# Altium PCB KPBT.758724.006.PcbDoc (continued)
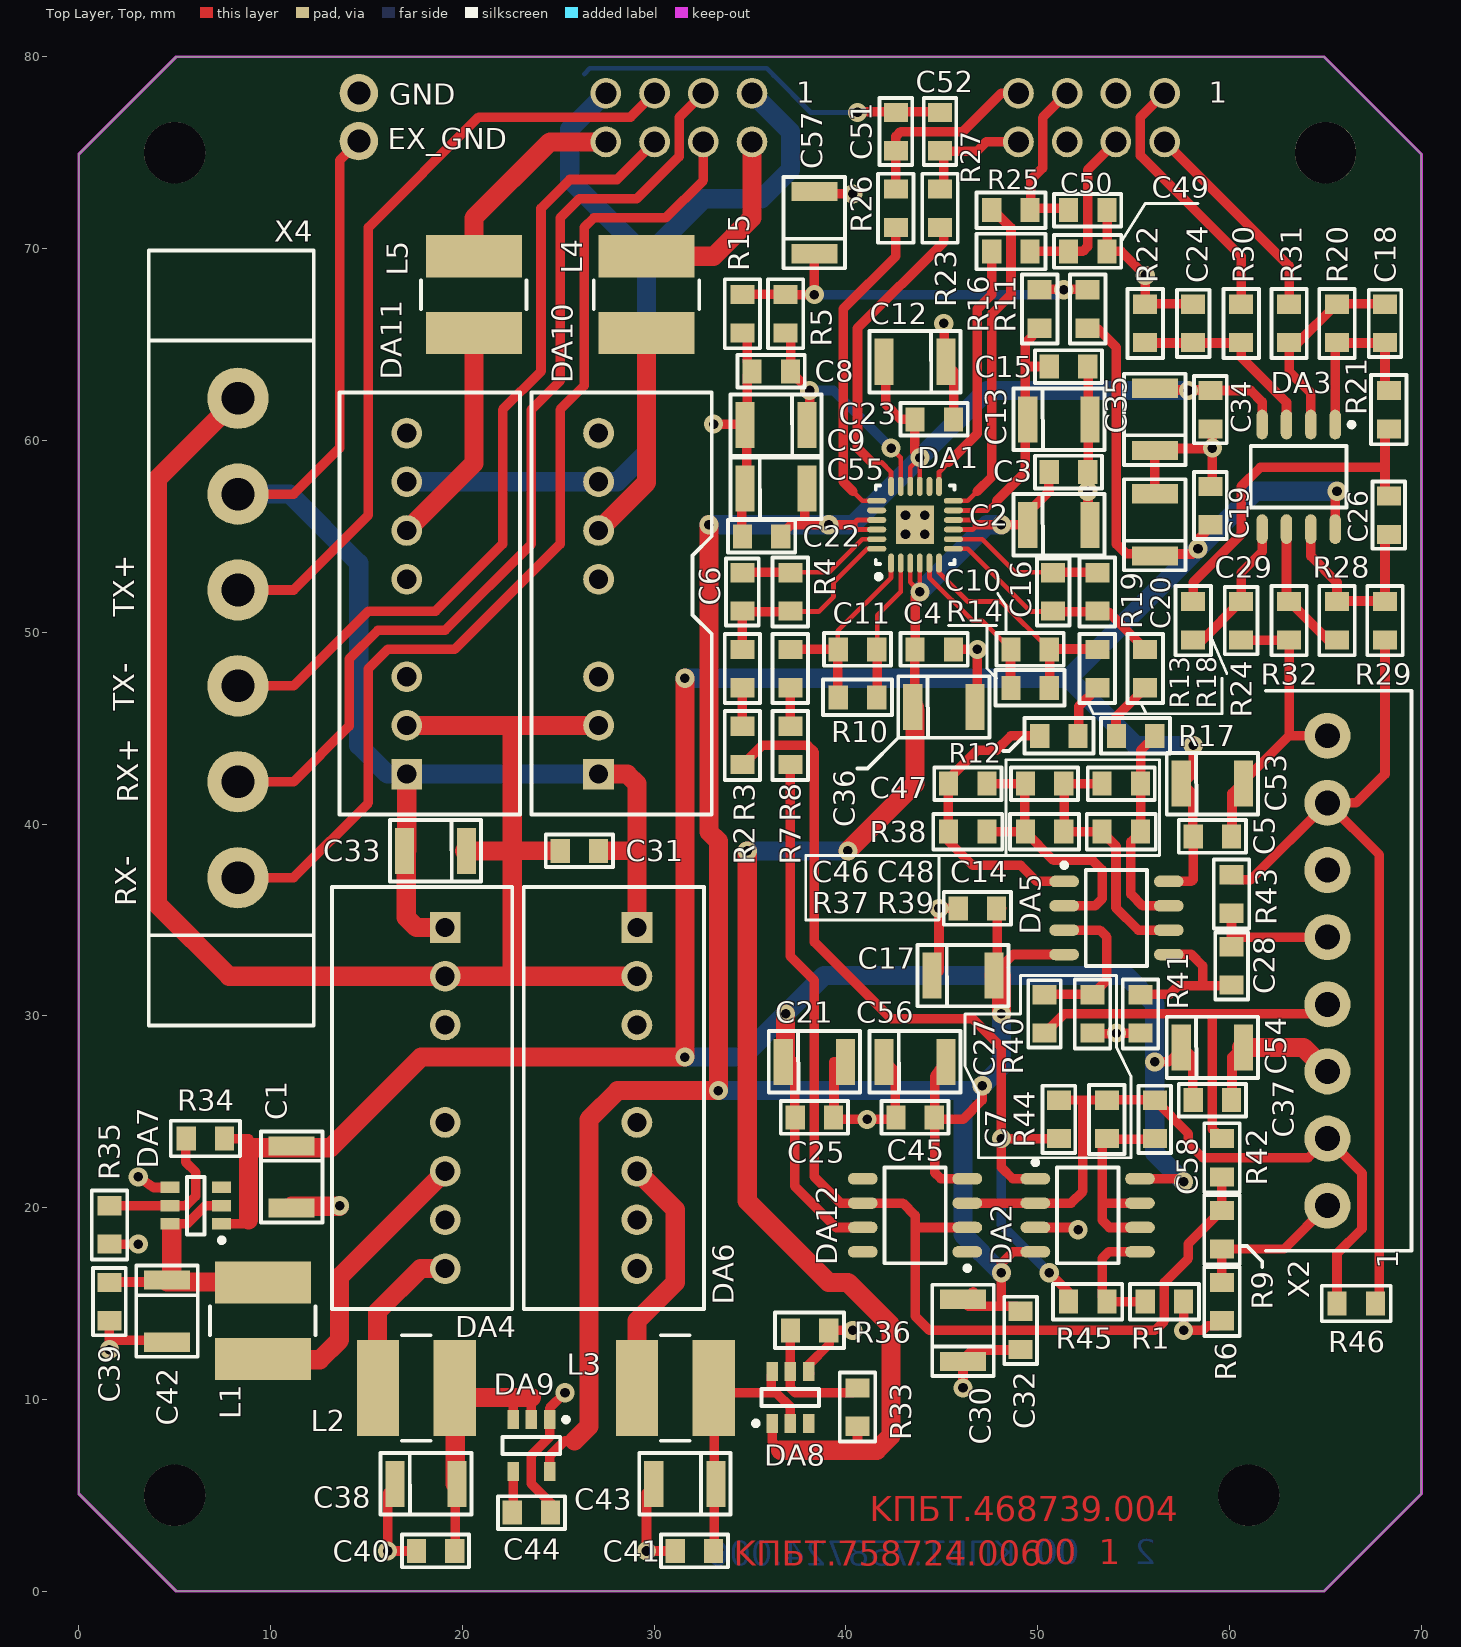
[diagram p0: Top Layer, Top view]
## Footprints (in the part's own frame and the unit in brackets; to place one, negate y for a bottom-side part, rotate by r counter-clockwise, add the part's x,y. Pads: shape width x height; smd on the part's side, far side on the other; paste and mask are expansions set on the pad)
2EDGVM-5.0-06P-14-00AH [mm]
  round 3.2 hole 1.7: 1(-12.5,0) 2(-7.5,0) 3(-2.5,0) 4(2.5,0) 5(7.5,0) 6(12.5,0)
  silkscreen extent -20.2,-4.65 20.2,3.95, body extent -20,-4.45 20,3.75, height 12.15
15EDGVC-3.5-08P-14-00AH [mm]
  round 2.4 hole 1.3: 1(-12.25,0) 2(-8.75,0) 3(-5.25,0) 4(-1.75,0) 5(1.75,0) 6(5.25,0) 7(8.75,0) 8(12.25,0)
  silkscreen extent -14.6,-4.38 14.6,3.2, body extent -14.4,-4.2 14.4,3, height 9.2
CAP:0805 [mm]
  rect 1x1.25 smd: 1(-1,0) 2(1,0)
  silkscreen extent -1.75,-0.85 1.75,0.85, body extent -1,-0.62 1,0.63, height 0.61
"CAPT: tepy B" [mm]
  rect 1x2.4 smd: 1(1.621,0) 2(-1.621,0)
  silkscreen extent -2.37,-1.6 2.37,1.6, body extent -1.85,-1.5 1.85,1.5, height 2.1
LFCSP-24 [mm]
  oval 1x0.3 smd: 1(-2,1.25) 2(-2,0.75) 3(-2,0.25) 4(-2,-0.25) 5(-2,-0.75) 6(-2,-1.25) 13(2,-1.25) 14(2,-0.75) 15(2,-0.25) 16(2,0.25) 17(2,0.75) 18(2,1.25)
  oval 0.3x1 smd: 7(-1.25,-2) 8(-0.75,-2) 9(-0.25,-2) 10(0.25,-2) 11(0.75,-2) 12(1.25,-2) 19(1.25,2) 20(0.75,2) 21(0.25,2) 22(-0.25,2) 23(-0.75,2) 24(-1.25,2)
  rect 2x2 smd: 25(0,0)
  silkscreen extent -2.82,-2.05 2.05,2.05, body extent -2,-2 2,2, height 0.78
LQH55DNxxM03 [mm]
  rect 2.2x5 smd: 1(-2,0) 2(2,0)
  silkscreen extent -0.75,-2.75 0.75,2.75, body extent -2.85,-2.5 2.85,2.5, height 4.7
PBS-8 [mm]
  round 1.6 hole 1.1: 1(-3.81,-1.27) 2(-3.81,1.27) 3(-1.27,-1.27) 4(-1.27,1.27) 5(1.27,-1.27) 6(1.27,1.27) 7(3.81,-1.27) 8(3.81,1.27)
  silkscreen extent -5.65,-2.68 5.65,2.68, body extent -5.48,-2.5 5.48,2.5, height 8.5
RES:0805 [mm]
  rect 1x1.25 smd: 1(-1,0) 2(1,0)
  silkscreen extent -1.8,-0.92 1.8,0.92, body extent -1.05,-0.67 1.05,0.68, height 0.6
SIP-8 [mm]
  rect 1.6x1.6 hole 1: 1(-8.89,0)
  round 1.6 hole 1: 2(-6.35,0) 3(-3.81,0) 5(1.27,0) 6(3.81,0) 7(6.35,0) 8(8.89,0)
  silkscreen extent -11,-5.9 11,3.5, body extent -10.9,-5.8 10.9,3.4, height 11.12
SOIC-8 [mm]
  oval 1.55x0.6 smd: 1(-2.725,1.905) 2(-2.725,0.635) 3(-2.725,-0.635) 4(-2.725,-1.905) 5(2.725,-1.905) 6(2.725,-0.635) 7(2.725,0.635) 8(2.725,1.905)
  silkscreen extent -2.85,-2.5 1.6,2.88, body extent -3,-2.45 3,2.45, height 1.55
SOT23-5 [mm] "SOT23, 6-Leads, Body 2,90x2,80mm, Pitch 0,95mm, IPC Medium Density"
  rect 1x0.6 smd: 1(-1.35,0.95) 2(-1.35,0) 3(-1.35,-0.95) 4(1.35,-0.95) 5(1.35,0.95)
  silkscreen extent -1.47,-1.5 0.45,1.93, body extent -1.25,-1.5 1.25,1.5, height 1.1
SOT23-6 [mm] "SOT23, 6-Leads, Body 2,90x2,80mm, Pitch 0,95mm, IPC Medium Density"
  rect 1x0.6 smd: 1(-1.35,0.95) 2(-1.35,0) 3(-1.35,-0.95) 4(1.35,-0.95) 5(1.35,0) 6(1.35,0.95)
  silkscreen extent -1.48,-1.5 0.45,1.92, body extent -1.25,-1.5 1.25,1.5, height 1.1

## Part data
C1 C2 C9 C12 C13 C17 C20 C21 C30 C33 C35 C36 C38 C42 C43 C53 C54 C55 C56 C57: library part "CAPT: tepy B", Part Number="CAPT: tepy B"
C3 C4 C5 C6 C7 C8 C10 C11 C14 C15 C16 C18 C19 C22 C23 C24 C25 C26 C27 C28 C29 C31 C32 C34 C37 C39 C40 C41 C44 C45 C46 C47 C48 C49 C50 C51 C52 C58: library part "Capacitor 0805", Part Number="Capacitor 0805"
L1 L2 L3 L4 L5: library part LQH55DN101M03, Part Number=LQH55DN101M03
R1 R2 R3 R4 R5 R6 R7 R8 R9 R10 R11 R12 R13 R14 R15 R16 R17 R18 R19 R20 R21 R22 R23 R24 R25 R26 R27 R28 R29 R30 R31 R32 R33 R34 R35 R36 R37 R38 R39 R40 R41 R42 R43 R44 R45 R46: library part "Resistor 0805", Total Power Dissipation=0,125W, Part Number="Resistor 0805"
X2: library part 15EDGVC-3.5-08P-14-00AH_1, Part Number=15EDGVC-3.5-08P-14-00AH_1
X4: library part 2EDGxx-5.0-06P-14-00AH, Part Number=2EDGxx-5.0-06P-14-00AH
DA1: Part Number=ADA4940-2ACPZ
DA2 DA3 DA5: Part Number=ADA4891-2ARZ
DA4: Part Number=AM2G1203DZ
DA6: Part Number=AM2G1205SZ
DA7 DA8: Part Number=ADP3331ART
DA9: Part Number=TPS72325DBVT
DA10 DA11: Part Number=AM2G1203SZ
DA12: Part Number=ADA4891-1ARZ
X1 X3: Part Number=PBS-8

## Free pads (board coordinates)
  round 2 hole 1.2: 0(14.6,75.6) 0(14.6,78.1)
  round 3.2 hole 3.2 unplated: ""(5,5) ""(5,75) ""(61,5) ""(65,75)

## Via types
v1: diameter 1, hole 0.5, Top Layer, Top to Bottom Layer, Bottom, tented both sides, 52 vias

## Nets (pads, with @x,y where several pads share a name; then routed paths per layer and width w, separated by ;. In a path a pad name is that pad's centre, name@x,y a point inside that pad or via, vN(x,y) a via of type N, cw(c..) or ccw(c..) an arc to the next point about the centre after c; other vN are vias at no path point)
+2.5V: C1.2 C5.2 C19.2 C20.2 C21.2 C25.2 C37.2 C53.2 C54.2 DA2.8 DA3.8 DA5.8 DA7.1 DA12.7 R11.2 R34.2 | length 185.4
  Top Layer, Top w0.5: DA7.1@7.3,19.15 8.65,19.15 8.85,19.35 ; R34.2@7.625,23.6 8.85,23.6 8.85,23.1 8.874,23.124 ; v1@31.6,27.6 v1(31.6,27.85) ; C21.2@36.826,27.6 37.325,27.601 37.325,24.6 37.325,21.125 39.485,18.965 DA12.7@41.06,18.965 ; R11.2@52.6,65.825 53.125,65.825 54.1,64.85 54.1,54.6 54.6,54.1 56.076,54.1 56.1,54.076 58.076,54.076 v1(58.35,54.35) 58.35,54.825 C19.2@59.1,55.575 ; DA2.8@55.14,21.505 57.445,21.505 v1(57.6,21.35) ; v1(56.1,27.6) 56.826,27.6 57.576,28.35 58.075,27.851 C37.2@58.075,25.6 ; DA5.8@56.64,37.005 58.005,37.005 58.1,37.1 58.1,39.575 58.075,39.35 58.075,41.601 57.576,42.1 58.1,42.624 v1(58.1,44.1) ; DA3.8@65.505,55.56 65.505,57.255 v1(65.6,57.35)
  Top Layer, Top w1: 8.85,19.35 8.85,23.1 ; 8.874,23.124 11.1,23.124 13.124,23.124 17.85,27.85 v1(31.6,27.85) v1(31.6,47.6) ; C21.2@36.826,27.6 36.85,28.124 v1(36.85,30.1)
  Bottom Layer, Bottom w1: v1(31.6,27.85) 34.6,27.85 v1(36.85,30.1) 38.85,32.1 54.6,32.1 56.1,30.6 v1(56.1,27.6) 56.1,22.85 v1(57.6,21.35) ; v1(31.6,47.6) 51.6,47.6 ; v1(58.1,44.1) 55.1,44.1 51.6,47.6 ; v1(65.6,57.35) 61.35,57.35 v1(58.35,54.35) 51.6,47.6
+3.3V: C39.1 C42.2 DA7.2 DA7.6 L1.2 | length 14.4
  Top Layer, Top w0.5: C39.1@1.6,16.125 1.601,16.124 4.6,16.124 4.9,16.424 C42.2@4.85,16.374 ; DA7.6@4.85,18.85 4.85,19.1 4.9,19.15 5.65,19.15 6.6,20.1 DA7.2@7.3,20.1 ; L1.2@9.592,16.124 L1.2@9.6,16.132
  Top Layer, Top w1: DA7.6@4.85,18.85 4.85,16.374 4.6,16.124 L1.2@9.592,16.124
+3.3V_D: L4.2 X3.1 | length 10.3
  Top Layer, Top w1: L4.2@29.6,69.632 29.632,69.6 33.1,69.6 35.1,71.6 X3.1
+4.5V: C2.2 C3.2 C4.2 C36.2 DA1.3 DA1.4 DA1.9 DA1.10 DA8.1 R33.2 | length 81.1
  Top Layer, Top w0.25: DA1.3 43.35,52.6 v1(43.85,52.1) DA1.4 ; DA1.9 46.6,55.35 46.85,55.6 46.6,55.85 DA1.10
  Top Layer, Top w0.5: DA8.1@36.15,8.9 36.15,7.8 36.6,7.35 ; 40.6,7.35 R33.2@40.6,8.575 ; C36.2@43.576,46.1 43.576,49.099 43.575,49.1 43.6,49.125 43.6,51.85 v1(43.85,52.1) ; 46.85,55.6 v1(48.1,55.6) 49.576,55.6 49.576,56.326 50.6,57.35 50.575,57.375 C3.2@50.575,58.35
  Top Layer, Top w1: v1(34.85,38.6) 34.85,20.35 39.1,16.1 40.1,16.1 42.35,13.85 42.35,8.1 41.6,7.35 40.6,7.35 36.6,7.35 ; v1(40.1,38.6) 43.6,42.1 43.6,45.85 C36.2@43.576,46.1
  Bottom Layer, Bottom w1: v1(34.85,38.6) v1(40.1,38.6) ; v1(43.85,52.1) 47.35,55.6 v1(48.1,55.6)
+5V: C41.1 C43.2 DA8.2 DA8.6 L3.2 | length 14.6
  Top Layer, Top w0.5: C41.1@33.125,2.1 33.124,2.101 33.124,5.6 33.124,10.592 33.132,10.6 33.382,10.35 36.1,10.35 ; DA8.6@36.15,11.3 36.1,11.25 36.1,10.35 ; DA8.2@37.1,8.9 37.1,9.6 36.35,10.35 36.1,10.35
+5V_D: L5.2 X3.7 | length 10.5
  Top Layer, Top w1: L5.2@20.6,69.632 20.6,71.6 24.56,75.56 X3.7
+12V_EXA: C31.1 C33.2 DA4.2 DA6.2 DA10.2 DA11.2 X4.1 | length 82.7
  Top Layer, Top w0.95: 22.6,38.6 C31.1@25.075,38.6
  Top Layer, Top w1: X4.1 4.1,58 4.1,35.8 7.84,32.06 DA4.2 22.6,32.06 ; DA11.2 22.6,45.14 ; C33.2@20.124,38.6 22.6,38.6 ; DA10.2 22.6,45.14 ; DA6.2 22.6,32.06 ; 22.6,32.06 22.6,38.6 ; 22.6,38.6 22.6,45.14
-2.5V: C12.1 C14.1 C17.1 C22.1 C23.1 C30.1 C32.1 C34.1 C35.1 C45.1 C55.1 C56.1 DA1.15 DA1.16 DA1.21 DA1.22 DA2.4 DA3.4 DA5.4 DA9.5 DA12.4 | length 167.8
  Top Layer, Top w0.25: DA1.22 40.6,55.35 40.35,55.6 40.6,55.85 DA1.21 ; DA1.16 43.35,58.6 v1(43.85,59.1) DA1.15
  Top Layer, Top w0.5: DA9.5@24.55,6.4 24.55,7.05 25.35,7.85 25.85,7.85 ; C22.1@36.625,55.1 37.125,55.6 37.85,55.6 ; C55.1@37.874,57.6 37.872,57.598 37.85,57.576 37.85,55.6 ; 40.35,55.6 v1(39.1,55.6) 37.85,55.6 ; C12.1@42.076,64.1 42.076,61.874 42.85,61.1 43.575,61.1 43.575,59.375 v1(43.85,59.1) ; C56.1@45.124,27.6 44.625,26.851 C45.1@44.625,24.6 ; DA12.4@46.14,21.505 44.945,21.505 44.625,21.825 C45.1@44.625,24.6 ; C30.1@46.624,15.624 46.148,15.17 46.1,15.124 46.374,14.85 48.1,14.85 ; v1(47.1,26.35) 47.1,25.6 46.1,24.6 C45.1@44.625,24.6 ; C17.1@47.624,32.1 C17.1@47.875,32.351 ; C14.1@48.124,35.599 47.875,35.6 C17.1@47.875,32.351 ; C32.1@49.1,14.625 48.875,14.85 48.1,14.85 ; DA2.4@50.06,17.695 DA2.4 48.695,17.695 48.1,17.1 v1(48.1,16.6) 48.1,14.85 ; DA5.4@51.56,33.195 DA5.4 48.719,33.195 C17.1@47.875,32.351 ; C35.1@56.1,62.624 56.101,62.625 v1@57.85,62.625 ; v1(57.85,62.6) v1@57.85,62.625 ; DA3.4@61.695,60.64 DA3.4 61.695,62.005 61.1,62.6 59.125,62.6 59.113,62.613 59.1,62.625 v1@57.85,62.625
  Top Layer, Top w1: 25.85,7.85 26.6,8.6 26.6,24.6 28.1,26.1 v1(33.35,26.1) 33.35,39.1 32.85,39.6 v1(32.85,55.6) ; C17.1@47.72,32.095 48.1,32.076 v1(48.1,30.1)
  Bottom Layer, Bottom w1: v1(32.85,55.6) v1(39.1,55.6) 40.35,55.6 v1(43.85,59.1) 47.35,62.6 v1(57.85,62.6) ; v1(33.35,26.1) 46.1,26.1 ; v1(48.1,16.6) 46.1,18.6 46.1,26.1 ; v1(48.1,30.1) 48.1,27.35 v1(47.1,26.35) 46.85,26.1 46.1,26.1
-3.3V: C38.1 C40.2 DA9.2 DA9.3 L2.2 | length 15.3
  Top Layer, Top w0.5: C38.1@19.624,5.6 19.624,2.101 C40.2@19.625,2.1 ; L2.2@19.624,10.592 L2.2@19.632,10.6 ; 22.6,10.1 22.65,10.05 DA9.3@22.65,8.8 ; DA9.2@23.6,8.8 23.6,10.1
  Top Layer, Top w1: C38.1@19.624,5.6 L2.2@19.624,10.592 ; L2.2@19.632,10.6 20.132,10.1 22.6,10.1 23.6,10.1
EX_GND: C31.2 C33.1 DA4.1 DA6.1 DA10.1 DA11.1 pad.0@14.6,75.6 X4.2 | length 74.5
  Top Layer, Top w0.5: X4.2 11.2,57.2 13.6,59.6 13.6,74.6 pad.0@14.6,75.6
  Top Layer, Top w0.95: C31.2@27.125,38.6 29.1,38.6
  Top Layer, Top w1: DA11.1 17.1,38.624 17.076,38.6 17.076,35.124 17.6,34.6 DA4.1 ; DA10.1 28.6,42.6 29.1,42.1 29.1,38.6 DA6.1
  Bottom Layer, Bottom w1: X4.2 11,57.2 14.6,53.6 14.6,44.1 16.1,42.6 DA10.1
GEN+: R30.1 X1.2 | length 13.7
  Top Layer, Top w0.5: X1.2@56.6,78.1 55.35,76.85 55.35,74.85 60.6,69.6 R30.1@60.6,67.125
GEN-: R31.1 X1.1 | length 11.2
  Top Layer, Top w0.5: X1.1@56.6,75.56 56.64,75.56 63.1,69.1 R31.1@63.1,67.125
GND: C1.1 C2.1 C3.1 C4.1 C5.1 C8.1 C9.1 C12.2 C13.1 C14.2 C15.2 C17.2 C19.1 C20.1 C21.1 C22.2 C23.2 C24.2 C25.1 C29.2 C30.2 C32.2 C34.2 C35.2 C36.1 C37.1 C38.2 C39.2 C40.1 C41.2 C42.1 C43.1 C44.2 C45.2 C49.1 C50.2 C51.1 C52.2 C53.1 C54.1 C55.2 C56.2 C57.1 DA1.25 DA2.3 DA4.7 DA6.7 DA7.4 DA8.4 DA9.1 pad.0@14.6,78.1 R1.1 R6.2 R15.2 R22.2 R32.2 R35.2 R36.2 R40.2 R41.2 X1.4 X1.5 X2.3 X2.6 X2.8 | length 156.4
  Top Layer, Top w0.5: v1(1.6,12.6) 1.826,13.076 C42.1@4.6,13.076 ; v1@1.6,13.076 C39.2@1.6,14.075 ; R35.2@1.6,18.075 1.625,18.1 v1(3.1,18.1) ; v1(3.1,21.6) 3.9,21.05 DA7.4@4.9,21.05 ; v1@13.576,20.076 v1(13.6,20.1) ; C38.2@16.576,5.6 16.1,5.124 v1(16.1,2.1) C40.1@17.575,2.1 ; C44.2@24.625,4.1 24.625,4.575 23.6,5.6 23.6,7.1 24.55,8.05 24.55,8.8 24.55,9.55 v1(25.35,10.35) ; C43.1@30.076,5.6 29.6,5.124 v1(29.6,2.1) C41.2@31.075,2.1 ; v1(33.1,60.85) 34.576,60.85 C9.1@34.826,60.6 ; C22.2@34.575,55.1 34.575,57.349 34.826,57.6 C9.1@34.826,60.6 ; C9.1@34.575,60.349 C9.1@34.826,60.6 ; R15.2@34.6,65.575 34.85,65.325 34.85,64.1 35.075,63.875 35.075,63.6 34.85,63.375 34.85,60.624 C9.1@34.826,60.6 ; DA8.4@38.1,11.35 38.05,11.3 38.05,11.8 39.125,12.875 39.125,13.6 v1(40.35,13.6) ; C57.1@38.35,72.874 38.374,72.85 v1(40.35,72.85) ; C21.1@39.874,27.6 39.375,27.601 39.375,24.6 v1(41.1,24.6) 42.575,24.6 42.575,27.101 C56.2@42.076,27.6 ; v1(40.6,77.1) 40.625,77.125 42.6,77.125 C52.2@45.1,77.125 ; C17.2@44.576,32.1 44.85,32.326 v1(44.85,35.6) C14.2@45.825,35.6 ; v1(45.1,66.1) 45.124,66.076 45.124,64.1 45.625,63.599 C23.2@45.625,61.1 ; C4.1@45.625,49.1 v1(46.85,49.1) 46.85,46.326 C36.1@46.624,46.1 ; v1(46.1,10.6) 46.1,12.076 46.599,12.575 C32.2@49.1,12.575 ; DA2.3@50.06,18.965 51.985,18.965 v1(52.1,18.85) ; C3.1@52.625,58.35 52.6,58.325 v1(52.6,57.35) ; C15.2@52.625,63.85 52.624,61.599 52.624,61.1 52.625,59.35 52.625,58.599 v1@52.615,57.35 ; R40.2@52.85,29.075 54.075,29.075 v1(54.1,29.1) 55.325,29.1 R41.2@55.35,29.075 ; C50.2@53.625,72.1 53.625,69.85 54.35,69.85 v1(55.6,68.6) 55.6,67.125 C24.2@58.1,67.125 ; C20.1@56.1,57.124 56.1,59.576 59.076,59.576 v1(59.1,59.6) ; R1.1@57.625,15.1 57.6,15.075 v1(57.6,13.6) 58.6,13.6 58.85,13.85 59.375,13.85 R6.2@59.6,14.075 ; C19.1@59.1,57.625 v1(59.1,59.6) ; C34.2@59.1,60.575 v1(59.1,59.6) ; C37.1@60.125,25.6 60.125,27.851 C54.1@60.624,28.35 ; C5.1@60.125,39.35 60.125,41.601 60.624,42.1 60.624,42.124 63.1,44.6 ; C29.2@60.6,49.575 63.1,49.575 63.1,44.6 ; X2.6@64.85,37.6 X2.6 ; X2.8 63.1,44.6 ; v1(52.6,57.35) 52.624,57.326 52.624,55.6 52.6,55.6 v1@52.615,57.35 ; v1(52.6,57.35) v1@52.615,57.35
  Top Layer, Top w1: C1.1@11.1,20.076 v1@13.576,20.076 ; C54.1@60.624,28.35 63.85,28.35 X2.3
  Bottom Layer, Bottom w0.25: 26.35,79.1 26.65,79.4 35.86,79.4 36.225,79.035 36.225,79.025 38.15,77.1 v1(40.6,77.1)
  other v1: 43.1,55.1 44.1,55.1 43.1,56.1 44.1,56.1
GND_D: DA10.7 DA11.7 X3.2 X3.8 | length 48.5
  Bottom Layer, Bottom w1: DA11.7 DA10.7 28.09,57.84 29.6,59.35 29.6,69.6 ; X3.8 25.6,76.22 25.6,73.6 29.6,69.6 ; X3.2 37.1,76.1 37.1,74.1 35.6,72.6 32.6,72.6 29.6,69.6
I+: C51.2 R26.1 X1.8 | length 10
  Top Layer, Top w0.5: R26.1@42.6,73.125 42.6,75.075 42.6,75.85 42.85,76.1 46.1,76.1 48.1,78.1 X1.8@48.98,78.1
I-: C52.1 R27.1 X1.7 | length 6
  Top Layer, Top w0.5: R27.1@45.1,73.125 45.1,75.075 46.825,75.075 47.31,75.56 X1.7@48.98,75.56
IM+: DA1.19 R26.2 | length 16.5
  Top Layer, Top w0.25: 40.35,57.35 40.85,56.85 DA1.19
  Top Layer, Top w0.5: 40.35,57.35 39.85,57.85 39.85,66.85 42.6,69.6 R26.2@42.6,71.075
IM-: DA1.18 R27.2 | length 16.4
  Top Layer, Top w0.25: 41.35,58.85 41.85,58.85 42.35,58.35 DA1.18
  Top Layer, Top w0.5: 41.35,58.85 40.6,59.6 40.6,65.85 45.1,70.35 R27.2@45.1,71.075
NetC6_1: C6.1 DA1.23 R4.1 | length 7.7
  Top Layer, Top w0.25: R4.1@37.1,53.125 39.125,53.125 40.85,54.85 DA1.23
  Top Layer, Top w0.5: C6.1@34.6,53.125 R4.1@37.1,53.125
NetC6_2: C6.2 DA1.24 R3.1 R4.2 | length 10.7
  Top Layer, Top w0.25: R4.2@37.1,51.075 38.575,51.075 39.35,51.85 39.35,52.6 41.1,54.35 DA1.24
  Top Layer, Top w0.5: R3.1@34.6,49.125 34.6,51.075 R4.2@37.1,51.075
NetC7_1: C7.1 DA2.1 R2.2 R45.2 | length 47.7
  Top Layer, Top w0.5: R2.2@34.6,43.075 34.7,43.075 34.975,43.35 34.975,43.45 35.625,44.1 38,44.1 38.35,43.75 38.35,33.85 42.35,29.85 46.6,29.85 48.1,28.35 v1(48.1,23.6) ; DA2.1@50.06,21.505 48.695,21.505 48.1,22.1 v1(48.1,23.6) ; v1(50.6,16.6) 51.575,15.625 R45.2@51.575,15.1 ; C7.1@51.075,23.6 v1(48.1,23.6)
  Bottom Layer, Bottom w0.5: v1(48.1,23.6) 48.1,19.1 v1(50.6,16.6)
NetC7_2: C7.2 C58.2 DA2.2 DA12.3 R44.2 R46.2 X2.2 | length 37.1
  Top Layer, Top w0.5: DA12.3@46.14,20.235 51.735,20.235 52.35,20.85 52.35,25.6 ; C7.2@51.1,25.625 52.35,25.6 ; R46.2 65.6,17.6 66.9,18.9 66.9,21.8 X2.2 64.1,22.6 58.6,22.6 57.85,23.35 57.85,23.85 C58.2 56.1,25.625 53.6,25.625 52.35,25.6
NetC8_2: C8.2 C9.2 DA1.17 R5.1 | length 13.3
  Top Layer, Top w0.25: v1(42.35,59.6) 42.85,59.1 DA1.17
  Top Layer, Top w0.5: R5.1@36.85,65.575 37.125,65.3 37.125,63.6 37.125,63.575 v1(38.1,62.6) 38.1,60.826 C9.2@37.874,60.6
  Bottom Layer, Bottom w0.5: v1(38.1,62.6) 39.35,62.6 v1(42.35,59.6)
NetC10_1: C10.1 DA1.5 R14.1 | length 8.5
  Top Layer, Top w0.25: DA1.5 44.35,52.85 46.6,50.6 47.1,50.6 48.575,49.125 C10.1@48.575,49.1
  Top Layer, Top w0.5: R14.1@48.575,47.1 C10.1@48.575,49.1
NetC10_2: C10.2 DA1.6 R13.1 R14.2 | length 12.4
  Top Layer, Top w0.25: DA1.6 44.85,53.1 46.35,51.6 48.1,51.6 C10.2 C10.2@50.625,49.1
  Top Layer, Top w0.5: R14.2@50.625,47.1 50.625,49.1 50.65,49.125 R13.1@53.1,49.125
NetC11_1: C11.1 DA1.2 R10.1 | length 7.5
  Top Layer, Top w0.25: C11.1@41.625,49.1 41.625,50.875 42.85,52.1 DA1.2
  Top Layer, Top w0.5: R10.1@41.625,46.6 C11.1@41.625,49.1
NetC11_2: C11.2 DA1.1 R8.1 R10.2 | length 10.6
  Top Layer, Top w0.25: C11.2@39.575,49.1 39.575,50.075 42.35,52.85 DA1.1
  Top Layer, Top w0.5: R8.1@37.1,49.125 37.125,49.1 39.575,49.1 R10.2@39.575,46.6
NetC13_2: C13.2 C15.1 DA1.11 R16.1 | length 13.8
  Top Layer, Top w0.25: DA1.11 47.35,56.35 47.85,56.85
  Top Layer, Top w0.5: 47.85,56.85 49.35,58.35 49.35,60.874 49.576,61.1 49.35,61.326 49.35,63.85 ; R16.1@50.1,65.825 49.35,65.075 49.35,63.85 ; C15.1@50.575,63.85 49.35,63.85
NetC16_1: C16.1 DA1.7 R18.1 R19.2 | length 12.2
  Top Layer, Top w0.25: DA1.7 46.35,54.35 49.625,51.075 C16.1@50.6,51.075
  Top Layer, Top w0.5: C16.1@50.6,51.075 53.1,51.075 53.65,51.075 R18.1@55.6,49.125
NetC16_2: C16.2 DA1.8 R19.1 | length 8.2
  Top Layer, Top w0.25: DA1.8 47.1,54.85 48.825,53.125 C16.2@50.6,53.125
  Top Layer, Top w0.5: C16.2@50.6,53.125 R19.1@53.1,53.125
NetC18_1: C18.1 DA3.1 R20.1 R21.1 | length 9.4
  Top Layer, Top w0.5: DA3.1@65.505,60.64 65.505,64.98 65.6,65.075 68.1,65.075 R21.1@68.1,62.625
NetC18_2: C18.2 DA3.2 R20.2 R31.2 | length 10.8
  Top Layer, Top w0.5: DA3.2@64.235,60.64 64.235,62.465 63.1,63.6 63.1,65.075 63.55,65.075 65.6,67.125 C18.2@68.1,67.125
NetC24_1: C24.1 DA3.3 R22.1 R30.2 | length 10.4
  Top Layer, Top w0.5: R22.1@55.6,65.075 58.1,65.075 60.6,65.075 60.6,64.35 62.965,61.985 DA3.3@62.965,60.64
NetC26_1: C26.1 DA3.7 R28.2 R29.1 | length 10.5
  Top Layer, Top w0.5: DA3.7@64.235,55.56 64.235,53.965 65.6,52.6 65.6,51.625 68.1,51.625 C26.1@68.1,55.075
NetC26_2: C26.2 R21.2 R24.2 | length 18.4
  Top Layer, Top w0.5: R24.2@58.1,51.625 58.1,52.6 60.6,55.1 60.6,57.6 61.6,58.6 68.1,58.6 ; C26.2@68.1,57.125 68.1,58.6 ; R21.2@68.1,60.575 68.1,58.6
NetC27_1: C27.1 DA5.3 R40.1 | length 8
  Top Layer, Top w0.5: C27.1@50.35,31.125 52.85,31.125 53.6,31.875 53.6,34.1 53.235,34.465 DA5.3@51.56,34.465
NetC27_2: C27.2 R42.1 X2.4 | length 22.1
  Top Layer, Top w0.5: C27.2@50.35,29.075 51.375,30.1 59.1,30.1 ; R42.1@59.6,23.625 59.1,24.1 59.1,30.1 ; X2.4 64.6,30.1 59.1,30.1
NetC28_1: C28.1 DA5.5 R41.1 | length 8.2
  Top Layer, Top w0.5: R41.1@55.35,31.125 56.875,31.125 57.325,31.575 58.625,31.575 ; DA5.5@56.64,33.195 58.005,33.195 58.6,32.6 58.6,31.6 58.625,31.575 ; C28.1@60.1,31.575 58.625,31.575
NetC28_2: C28.2 R43.2 X2.5 | length 6.7
  Top Layer, Top w0.5: C28.2@60.1,33.625 C28.2@60.1,34.1 ; R43.2@60.1,35.325 C28.2@60.1,34.1 ; X2.5 C28.2@60.1,34.1
NetC29_1: C29.1 DA3.5 R24.1 | length 7.7
  Top Layer, Top w0.5: R24.1@58.1,49.575 58.55,49.575 60.6,51.625 60.6,53.1 61.695,54.195 DA3.5@61.695,55.56
NetC44_1: C44.1 DA9.4 | length 2.3
  Top Layer, Top w0.5: C44.1@22.575,4.1 22.65,4.175 DA9.4@22.65,6.4
NetC46_1: C46.1 C47.2 DA5.2 R37.1 R38.2 | length 14.7
  Top Layer, Top w0.5: R38.2@47.375,39.6 R37.1@49.325,39.6 ; C47.2@47.375,42.1 49.325,42.1 R37.1@49.325,39.6 ; DA5.2@51.56,35.735 52.985,35.735 53.35,36.1 53.35,37.6 52.85,38.1 50.825,38.1 R37.1@49.325,39.6
NetC46_2: C46.2 C48.1 DA5.6 R37.2 R39.1 | length 13.7
  Top Layer, Top w0.5: C48.1@53.325,42.1 51.375,42.1 51.375,39.6 53.325,39.6 54.075,38.85 54.075,35.625 55.235,34.465 DA5.6@56.64,34.465
NetC47_1: C47.1 DA5.1 R12.2 R38.1 | length 16
  Top Layer, Top w0.5: R12.2@50.075,44.6 48.6,44.6 47.85,43.85 46.85,43.85 45.325,42.325 45.325,42.1 45.325,39.6 45.325,39.125 46.6,37.85 49.1,37.85 49.945,37.005 DA5.1@51.56,37.005
NetC48_2: C48.2 DA5.7 R17.2 R39.2 | length 10.8
  Top Layer, Top w0.5: R17.2@56.125,44.6 55.375,43.85 55.375,42.1 55.375,39.6 54.85,39.075 54.85,36.35 55.465,35.735 DA5.7@56.64,35.735
NetC57_2: C57.2 R5.2 R11.1 R15.1 R16.2 | length 21.6
  Top Layer, Top w0.5: R15.1@34.6,67.625 36.85,67.625 36.875,67.6 v1(38.35,67.6) C57.2@38.35,69.826 ; R16.2@50.1,67.875 v1@51.35,67.875 ; v1(51.35,67.85) v1@51.35,67.875 ; R11.1@52.6,67.875 v1@51.35,67.875
  Bottom Layer, Bottom w0.5: v1(38.35,67.6) 51.1,67.6 v1(51.35,67.85)
NetC58_1: C58.1 DA2.6 DA2.7 R44.1 | length 11.1
  Top Layer, Top w0.5: DA2.6@55.14,18.965 53.735,18.965 53.35,19.35 53.35,20.35 ; DA2.7@55.14,20.235 53.465,20.235 53.35,20.35 ; C58.1@56.1,23.575 53.6,23.575 53.35,23.825 53.35,20.35
NetDA2_5: DA2.5 R1.2 R45.1 | length 6.2
  Top Layer, Top w0.5: DA2.5@55.14,17.695 53.695,17.695 53.35,17.35 53.35,15.375 53.625,15.1 R1.2@55.575,15.1
NetDA3_6: DA3.6 R28.1 R32.1 | length 7.3
  Top Layer, Top w0.5: DA3.6@62.965,55.56 62.965,51.76 63.1,51.625 65.15,49.575 R28.1@65.6,49.575
NetDA4_6: DA4.6 L1.1 | length 15.5
  Top Layer, Top w1: L1.1@9.6,12.068 12.568,12.068 13.6,13.1 13.6,16.4 DA4.6
NetDA4_8: DA4.8 L2.1 | length 8.4
  Top Layer, Top w1: L2.1@15.568,10.6 15.568,14.568 17.82,16.82 DA4.8
NetDA6_6: DA6.6 L3.1 | length 13
  Top Layer, Top w1: L3.1@29.068,10.6 29.1,10.632 29.1,14.1 31.1,16.1 31.1,19.9 DA6.6
NetDA7_5: DA7.5 R34.1 R35.1 | length 7.9
  Top Layer, Top w0.5: R35.1@1.6,20.125 1.625,20.1 4.9,20.1 5.6,20.1 6.1,20.6 6.1,21.85 5.575,22.375 R34.1@5.575,23.6
NetDA8_5: DA8.5 R33.1 R36.1 | length 6.7
  Top Layer, Top w0.5: R36.1@37.075,13.6 37.1,13.575 37.1,11.3 37.1,10.6 37.35,10.35 40.325,10.35 R33.1@40.6,10.625
NetDA10_6: DA10.6 L4.1 | length 11.3
  Top Layer, Top w1: DA10.6 29.6,57.8 L4.1@29.6,65.568
NetDA11_6: DA11.6 L5.1 | length 11.7
  Top Layer, Top w1: DA11.6 20.6,58.8 L5.1@20.6,65.568
NetDA12_2: DA12.2 DA12.6 R7.2 R9.1 R42.2 | length 58.2
  Top Layer, Top w0.5: R7.2@37.1,43.075 37.1,33.1 38.35,31.85 38.35,21.6 39.715,20.235 41.06,20.235 42.965,20.235 43.6,19.6 43.6,19.1 ; DA12.2@46.14,18.965 43.735,18.965 43.6,19.1 ; R42.2@59.6,21.575 59.6,19.875 57.85,18.125 57.85,17.35 56.6,16.1 56.6,14.1 56.1,13.6 44.35,13.6 43.6,14.35 43.6,19.1
NetR2_1: R2.1 R3.2 | length 2
  Top Layer, Top w0.5: R2.1@34.6,45.125 R3.2@34.6,47.075
NetR6_1: R6.1 R9.2 X2.1 | length 8.1
  Top Layer, Top w0.5: R6.1@59.6,16.125 59.6,17.825 62.85,17.85 X2.1
NetR7_1: R7.1 R8.2 | length 2
  Top Layer, Top w0.5: R7.1@37.1,45.125 R8.2@37.1,47.075
NetR12_1: R12.1 R13.2 | length 2.9
  Top Layer, Top w0.5: R12.1@52.125,44.6 52.125,46.125 53.075,47.075 R13.2@53.1,47.075
NetR17_1: R17.1 R18.2 | length 3.1
  Top Layer, Top w0.5: R17.1@54.075,44.6 54.075,45.575 55.575,47.075 R18.2@55.6,47.075
NetR29_2: R29.2 R43.1 R46.1 X2.7 | length 44.9
  Top Layer, Top w0.5: R43.1@60.1,37.375 60.1,37.1 61.1,37.1 X2.7 ; R46.1@67.5,15 67.8,15.3 67.8,38.4 X2.7 ; R29.2@68.1,49.575 68.1,42.6 66.6,41.1 X2.7
RX+: X3.4 X4.5 | length 51.5
  Top Layer, Top w0.5: X4.5 11.2,42.2 14.1,45.1 14.1,48.6 15.6,50.1 19.1,50.1 23.6,54.6 23.6,61.6 25.1,63.1 25.1,71.6 26.1,72.6 29.1,72.6 31.3,74.8 31.3,76.84 32.54,78.08 X3.4
RX-: X3.3 X4.6 | length 54.4
  Top Layer, Top w0.5: X4.6 11.2,37.2 15.1,41.1 15.1,48.1 16.1,49.1 19.6,49.1 25.1,54.6 25.1,61.6 26.35,62.85 26.35,71.1 26.85,71.6 30.6,71.6 32.56,73.56 X3.3
TX+: X3.6 X4.3 | length 41.2
  Top Layer, Top w0.5: X4.3 11.2,52.2 15.1,56.1 15.1,71.1 20.85,76.85 28.77,76.85 30,78.08 X3.6
TX-: X3.5 X4.4 | length 42.5
  Top Layer, Top w0.5: X4.4 11.2,47.2 15.1,51.1 18.6,51.1 22.1,54.6 22.1,61.6 24.1,63.6 24.1,72.1 25.6,73.6 28.06,73.6 30,75.54 X3.5
U+: C49.2 R23.1 X1.3 | length 9.1
  Top Layer, Top w0.5: R23.1@49.625,69.85 51.575,69.85 52.35,69.85 52.6,70.1 52.6,74.1 X1.3@54.06,75.56
U-: C50.1 R25.1 X1.6 | length 8.7
  Top Layer, Top w0.5: X1.6@51.52,78.1 50.25,76.83 50.25,74.2 49.625,73.575 49.625,72.1 C50.1@51.575,72.1
UM+: DA1.13 R23.2 | length 13.4
  Top Layer, Top w0.25: DA1.13 44.85,58.35 45.35,58.85
  Top Layer, Top w0.5: 45.35,58.85 46.85,60.35 46.85,66.85 47.6,67.6 47.6,69.825 R23.2@47.575,69.85
UM-: DA1.12 R25.2 | length 17.4
  Top Layer, Top w0.25: DA1.12 46.35,56.85 46.85,57.35
  Top Layer, Top w0.5: 46.85,57.35 47.6,58.1 47.6,66.6 48.6,67.6 48.6,71.075 R25.2@47.575,72.1
pads on no net: DA1.14 DA1.20 DA4.3 DA4.5 DA6.3 DA6.5 DA6.8 DA7.3 DA8.3 DA10.3 DA10.5 DA10.8 DA11.3 DA11.5 DA11.8 DA12.1 DA12.5 DA12.8

## Polygon pours and split planes (outlines as drawn)
GND on Bottom Layer, Bottom "Bottom Layer, Bottom-GND" (solid, pour order 0): 9.6,73.1 6.6,70.1 1.1,70.1 1.1,9.6 6.6,9.6 9.6,6.6 9.6,1.1 56.1,1.1 56.1,6.1 59.6,9.6 69.1,9.6 69.1,70.6 63.1,70.6 60.6,73.1 60.6,79.1 9.6,79.1

## Keep-outs
Keep-Out Layer, Board:
  the board outline again, w0.15

## Other copper
Top Layer, Top:
  text "KПБT.468739.004" at 41.237,3.218 h2.2
  text "00" at 49.763,0.968 h2.2
  text "1" at 53.183,0.951 h2.2
  text "KПБT.758724.006" at 34.137,0.898 h2.2
Bottom Layer, Bottom:
  text "00" at 52.187,0.968 h2.2
  text "2" at 56.178,0.951 h2.2
  text "KПБT.758724.006" at 48.863,0.898 h2.2

## Silkscreen, mask and mechanical layers (free items; w line width, h text height)
Top Overlay, Top Silk:
  lines w0.15: 44.85,38.35 44.85,35 37.9,35 37.9,38.35 56.35,38.35 56.35,43.35 48.35,43.35 48.35,38.35 ; 45.35,50.35 47.85,50.35 ; 47.35,50.35 47.35,48.1 47.85,47.6 ; 47.912,52.008 48.35,51.35 48.35,50.1 ; 52.6,46.35 52.9,45.75 59.6,45.75 59.6,47.6 ; 54.35,70.35 55.6,72.35 58.35,72.35 ; 55.35,46.35 55.64,45.77 ; 59.1,49.6 59.85,47.85 ; 46.2,27.4 46.2,30.1 49.1,30.1 49.1,32.1 54.1,32.1 54.1,28.35 54.85,26.85 54.85,22.6 46.9,22.6 46.9,26 46.2,27.4
  lines w0.2: 40.6,42.9 41.125,42.9 42.725,44.5 ; 48.2,43.8 48.5,43.8 49.3,44.6 ; 60.6,18 60.9,18 61.7,17.2 61.7,16.9
  text "1" at 37.4,77.6 h1.1
  text "1" at 58.9,77.6 h1.1
  text "GND" at 16.2,77.5 h1.1
  text "EX_GND" at 16.1,75.167 h1.1
  text "TX+" at 2.9,50.8 h1.1 r90
  text "TX-" at 2.9,45.9 h1.1 r90
  text "RX+" at 3.1,41.1 h1.1 r90
  text "RX-" at 3,35.7 h1.1 r90
  text "1" at 68.8,16.8 h1.1 r90
Bottom Overlay, Bot Silk:
  lines w0.2: 25.6,74.1 25.6,79.5 36.9,79.5 36.9,74.1 25.6,74.1 ; 47.2,74.1 58.5,74.1 58.5,79.5 47.2,79.5 47.2,74.1
Top Solder, Top Mask:
  the board outline again, w1
Bottom Solder, Bot Mask:
  the board outline again, w1